# Altium PCB Camera-M-PCB.PcbDoc (part 1 of 2) (continued)
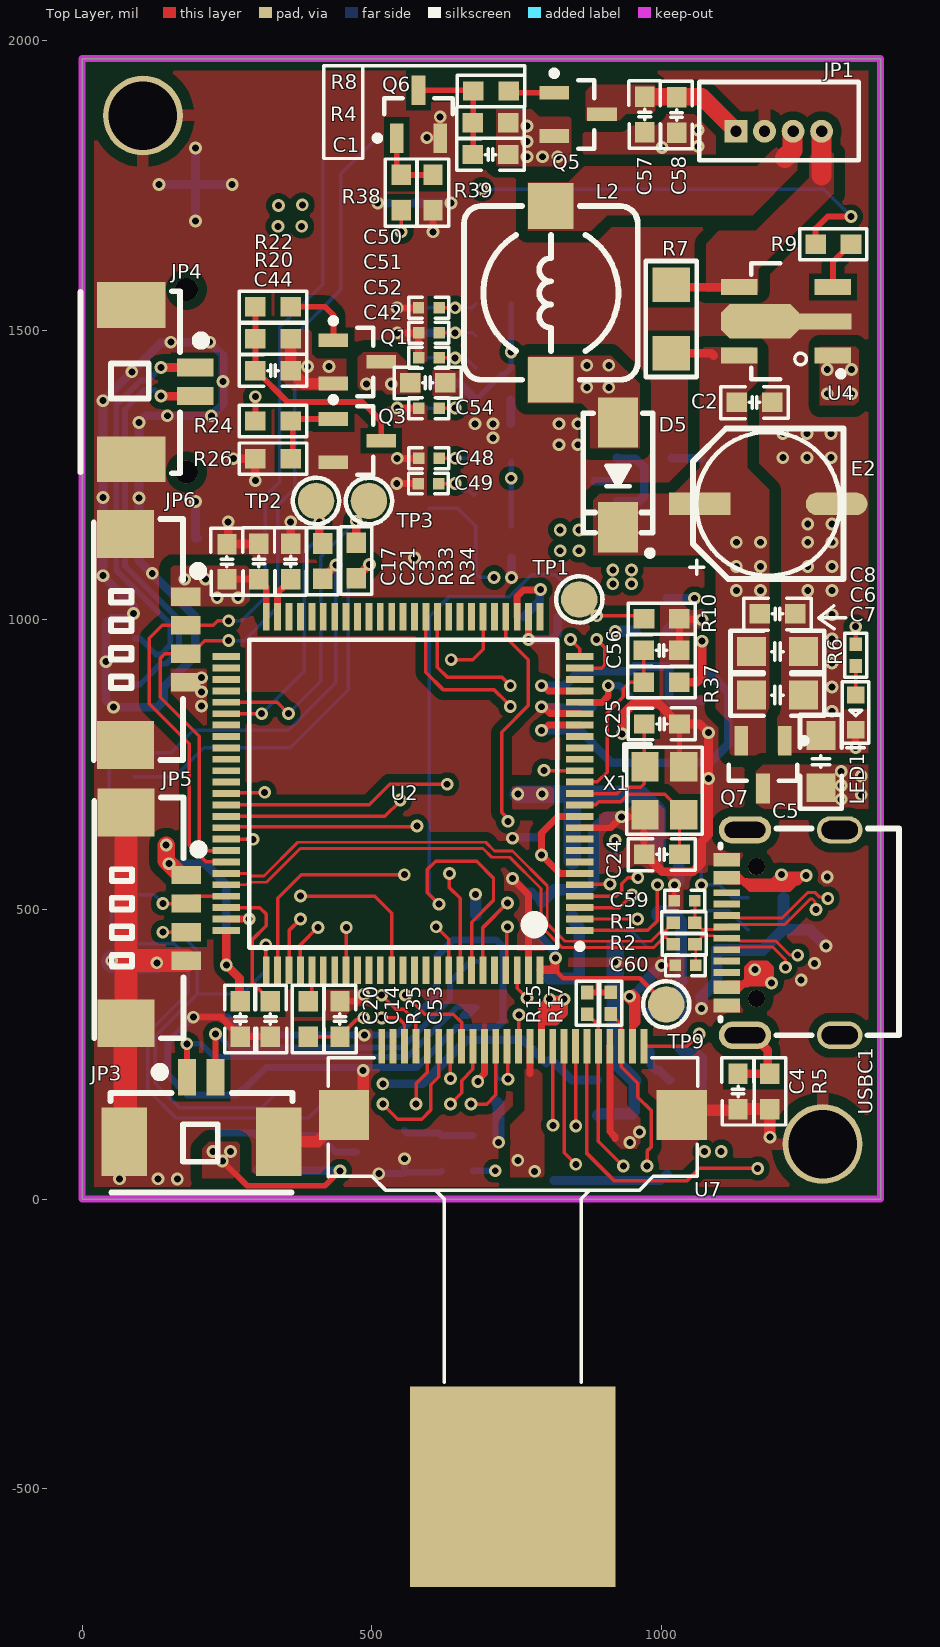
[diagram p0: Top Layer view]
## Components (designator, comment, footprint, x,y, rotation, side; value= is the part's Value field where it differs from the comment) (continued)
R38 "1K" R0603_M 550.52,1737.05 r270 top
R39 "10K" R0603_M 605.52,1737.05 r90 top
TP1 "BOOT0" "TEST 1.6" 858,1035 r270 top
TP2 "RXD" "TEST 1.6" 403.67,1205 r90 top
TP3 "TXD" "TEST 1.6" 495,1205 r90 top
TP5 "TXD" "TEST 1.6" 502,1825 r0 bottom
TP6 "RXD" "TEST 1.6" 415,1825 r0 bottom
TP7 "JTMS" "TEST 1.6" 430,181 r270 bottom
TP8 "JTCK" "TEST 1.6" 345,181 r270 bottom
TP9 "VCPU" "TEST 1.6" 1008,336 r0 top
U1 "XC6228D332VR-G" SOT-23-5 970.24,1241.6 r0 bottom
U2 "STM32F407VET6" LQFP100_V 554,700 r180 top locked
U4 "NS4115" SOT89-5M 1215,1515 r90 top
U5 "XC6219B132MR" SOT-23-5 883,537 r270 bottom
U6 "XC6219B282MR" SOT-23-5 1030,545 r270 bottom
U7 "OV2640" OV2640-24 743.5,-116.25 r180 top locked
U8 "SU-03T" SU-03T 90,330.98 r0 bottom locked
USBC1 "TYPE-C 2.0 -16P" USB-C-SMD_16P 1210,460 r270 top locked
X1 "8M" XTAL-3225-4P 1005,705 r270 top
Y1 "24.000Mhz" XTAL3225 806,167 r180 bottom

## Footprints (in the part's own frame and the unit in brackets; to place one, negate y for a bottom-side part, rotate by r counter-clockwise, add the part's x,y. Pads: shape width x height; smd on the part's side, far side on the other; paste and mask are expansions set on the pad)
C0402_L [mm] "贴片MLCC电容"
  rect 0.5x0.5 smd: 1(-0.45,0) 2(0.45,0)
  silkscreen extent -0.87,-0.46 0.88,0.46, body extent -0.5,-0.25 0.5,0.25, height 0.5
C0603_M [mm] "贴片MLCC电容"
  rect 0.9x0.85 smd: 1(-0.775,0) 2(0.775,0)
  silkscreen extent -1.48,-0.69 1.48,0.71, body extent -0.8,-0.4 0.8,0.4, height 0.8
C0805_M [mil] "贴片MLCC电容"
  rect 50x50 smd: 1(-45,0) 2(45,0)
  silkscreen extent -81,-36 81,36, body extent -39,-26 39,26, height 51
CDRH74 [mm] "7.3*7.3*4.5mm（长宽高）"
  rect 2x2 smd: 1(-3.81,0) 2(3.81,0)
  silkscreen extent -3.81,-3.81 3.81,3.81, body extent -3.65,-3.65 3.65,3.65, height 4.52
"CS 6*6 - B" [mm] "直径6mm，高6mm             联系卖家 免费人工查找封装"
  rect 2.7x1 smd: 1(3,0)
  oval 2.7x1 smd: 2(-3,0)
  silkscreen extent -3.3,-3.3 3.43,3.3, body extent -3.5,-3.15 3.5,3.15, height 6.05
LED0603_G [mil] "绿色0603LED"
  rect 30x30 smd: 1(-30,0) 2(30,0)
  silkscreen extent -53,-23 61,23, body extent -31,-16 31,16, height 18
LQFP100_V [mm] "Thin QFP, 100-Leads, Body 14x14mm, Pitch 0.5mm, ST Recommended联系卖家免费查找封装"
  rect 1.2x0.3 smd: 1(-7.75,6) 2(-7.75,5.5) 3(-7.75,5) 4(-7.75,4.5) 5(-7.75,4) 6(-7.75,3.5) 7(-7.75,3) 8(-7.75,2.5) 9(-7.75,2) 10(-7.75,1.5) 11(-7.75,1) 12(-7.75,0.5) 13(-7.75,0) 14(-7.75,-0.5) 15(-7.75,-1) 16(-7.75,-1.5) 17(-7.75,-2) 18(-7.75,-2.5) 19(-7.75,-3) 20(-7.75,-3.5) 21(-7.75,-4) 22(-7.75,-4.5) 23(-7.75,-5) 24(-7.75,-5.5) 25(-7.75,-6) 51(7.75,-6) 52(7.75,-5.5) 53(7.75,-5) 54(7.75,-4.5) 55(7.75,-4) 56(7.75,-3.5) 57(7.75,-3) 58(7.75,-2.5) 59(7.75,-2) 60(7.75,-1.5) 61(7.75,-1) 62(7.75,-0.5) 63(7.75,0) 64(7.75,0.5) 65(7.75,1) 66(7.75,1.5) 67(7.75,2) 68(7.75,2.5) 69(7.75,3) 70(7.75,3.5) 71(7.75,4) 72(7.75,4.5) 73(7.75,5) 74(7.75,5.5) 75(7.75,6)
  rect 0.3x1.2 smd: 26(-6,-7.75) 27(-5.5,-7.75) 28(-5,-7.75) 29(-4.5,-7.75) 30(-4,-7.75) 31(-3.5,-7.75) 32(-3,-7.75) 33(-2.5,-7.75) 34(-2,-7.75) 35(-1.5,-7.75) 36(-1,-7.75) 37(-0.5,-7.75) 38(0,-7.75) 39(0.5,-7.75) 40(1,-7.75) 41(1.5,-7.75) 42(2,-7.75) 43(2.5,-7.75) 44(3,-7.75) 45(3.5,-7.75) 46(4,-7.75) 47(4.5,-7.75) 48(5,-7.75) 49(5.5,-7.75) 50(6,-7.75) 76(6,7.75) 77(5.5,7.75) 78(5,7.75) 79(4.5,7.75) 80(4,7.75) 81(3.5,7.75) 82(3,7.75) 83(2.5,7.75) 84(2,7.75) 85(1.5,7.75) 86(1,7.75) 87(0.5,7.75) 88(0,7.75) 89(-0.5,7.75) 90(-1,7.75) 91(-1.5,7.75) 92(-2,7.75) 93(-2.5,7.75) 94(-3,7.75) 95(-3.5,7.75) 96(-4,7.75) 97(-4.5,7.75) 98(-5,7.75) 99(-5.5,7.75) 100(-6,7.75)
  silkscreen extent -7.88,-6.75 6.75,6.82, body extent -7,-7 7,7, height 1.6
"Micro SD" [mm] "淘宝ID:黄晶宝石"
  round 1 hole 1 unplated: 0(-4,0) 0(4,0)
  rect 0.7x1.8 smd: 1(3.2,10.627) 2(2.1,10.627) 3(1,10.627) 4(-0.1,10.627) 5(-1.2,10.627) 6(-2.3,10.627) 7(-3.4,10.627) 8(-4.5,10.627) 9(-5.6,10.627)
  rect 2.032x2.2 smd: 10(-6.9,0.4) 10(8.6,0.4)
  rect 1.2x1.4 smd: 10(-6.9,10)
  rect 1.6x1.4 smd: 10(7.8,10)
  silkscreen extent -7.4,-4.28 9.2,11.94, body extent -7.05,-3.87 8.95,11.38, height 2
MX1.25-L-4P [mm] "长：6.75mm，宽：3.2mm，高：4.2mm"
  rect 1x1 hole 0.5: 1(-1.885,0)
  round 1 hole 0.5: 2(-0.635,0) 3(0.615,0) 4(1.865,0)
  silkscreen extent -3.49,-1.27 3.49,2.16, body extent -3.38,-1.15 3.37,2.05, height 4.25
MX1.25-LT-4P [mm] "长：9.75m，宽：3.7mm，高：4.7mm 淘宝ID:黄晶宝石"
  rect 2.1x2.5 smd: 0(-4.632,-0.381) 0(4.604,-0.381)
  rect 0.8x1.3 smd: 1(-1.889,2.261) 2(-0.639,2.261) 3(0.611,2.261) 4(1.861,2.261)
  silkscreen extent -5.29,-1.78 5.27,2.99, body extent -5.08,-1.6 5.07,2.5, height 4.7
MX1.25-WT-2P [mm] "长：7.65mm，宽：4.2mm，高：3.4mm"
  rect 2x3 smd: 0(-3.382,0) 0(3.382,0)
  rect 0.8x1.6 smd: 1(-0.639,2.811) 2(0.611,2.811)
  silkscreen extent -3.98,-2.23 4,3.25, body extent -3.82,-2.1 3.83,3.09, height 3.4
OV2640-24 [mm]
  rect 0.3x1.5 smd: 1(-5.747,-9.658) 2(-5.247,-9.658) 3(-4.747,-9.658) 4(-4.247,-9.658) 5(-3.747,-9.658) 6(-3.247,-9.658) 7(-2.747,-9.658) 8(-2.247,-9.658) 9(-1.747,-9.658) 10(-1.247,-9.658) 11(-0.747,-9.658) 12(-0.247,-9.658) 13(0.253,-9.658) 14(0.753,-9.658) 15(1.253,-9.658) 16(1.753,-9.658) 17(2.253,-9.658) 18(2.753,-9.658) 19(3.253,-9.658) 20(3.753,-9.658) 21(4.253,-9.658) 22(4.753,-9.658) 23(5.253,-9.658) 24(5.753,-9.658)
  rect 2.2x2.2 smd: 25(7.404,-6.636) 26(-7.404,-6.636)
  rect 9x8.8 smd: 27(0.006,9.658)
  silkscreen extent -8.1,-9.15 8.1,5.07
R0402_M [mm] "1/16W贴片电阻"
  rect 0.6x0.55 smd: 1(-0.475,0) 2(0.475,0)
  silkscreen extent -0.97,-0.48 0.97,0.48, body extent -0.5,-0.25 0.5,0.25, height 0.3
R0603_M [mm] "1/10W贴片电阻"
  rect 0.9x0.85 smd: 1(-0.775,0) 2(0.775,0)
  silkscreen extent -1.48,-0.69 1.48,0.69, body extent -0.8,-0.4 0.8,0.4, height 0.4
R1206_M [mm] "1/4W贴片电阻"
  rect 1.5x1.65 smd: 1(-1.5,0) 2(1.5,0)
  silkscreen extent -2.54,-1.12 2.54,1.12, body extent -1.6,-0.8 1.6,0.8, height 0.56
SMA [mm] "4.5x2.6*2.2mm（长宽高，不包括引脚）联系卖家 免费查找封装"
  rect 2.2x1.75 smd: 1(-2.3,0) 2(2.3,0)
  silkscreen extent -2.7,-1.52 3.56,1.52, body extent -2.55,-1.3 2.55,1.3, height 2.15
SOT23-3N [mm] "SOT23, 3-Leads, Body 2.9x1.3mm, Pitch 0.95mm, Lead Span 2.4mm, IPC Medium Density  联系卖家 获取最新版本"
  rect 0.6x1.3 smd: 1(-0.95,-1.05) 2(0.95,-1.05) 3(0,1.05)
  silkscreen extent -1.92,-1.17 1.5,0.7, body extent -1.5,-1.2 1.5,1.2, height 1.05
SOT89-5M [mm] "4.6x4.3x1.6mm(长宽高)"
  rect 0.7x1.6 smd: 1(-1.5,-2.054) 3(1.5,-2.054) 4(1.5,2.054) 5(-1.5,2.054)
  oct 1.524x3.429 smd: 2(0,1.143)
  rect 0.7x2.4 smd: 2(0,-1.676)
  silkscreen extent -2.54,-2.53 2.54,1.52, body extent -2.3,-2.4 2.3,2.4, height 1.6
SOT-23-5 [mm] "SOT23, 5-Leads, Body 2.9x1.6mm, Pitch 0.95mm, IPC Medium Density"
  rect 1.05x0.6 smd: 1(-1.2,0.95) 2(-1.2,0) 3(-1.2,-0.95) 4(1.2,-0.95) 5(1.2,0.95)
  silkscreen extent -1.32,-1.55 0.3,1.92, body extent -1.4,-1.5 1.4,1.5, height 1.15
SU-03T [mm]
  rect 1.5x1 smd: 1(0,0.025) 2(0,-2) 3(0,-4.025) 4(0,-6.05) 5(0,-8.075) 6(0,-10.1) 7(0,-12.125) 8(0,-14.15) 9(0,-16.175) 10(15,-16.2) 11(15,-14.175) 12(15,-12.15) 13(15,-10.125) 14(15,-8.1) 15(15,-6.075) 16(15,-4.05) 17(15,-2.025) 18(15,0)
  silkscreen extent -2.15,-18.7 15,2.53
"TEST 1.6" [mm] "测试点1.6mm"
  round 1.6 smd paste-1.6: 1(0,0)
  silkscreen extent -1.02,-1.01 1.02,1.02
USB-C-SMD_16P [mm] "封装库来自淘宝ID:黄晶宝石"
  oval 1.2x2 hole 0.8 slot 1.6 at 90 deg: 0(-4.5,2.475) 0(4.5,2.475)
  oval 1.2x2.3 hole 0.7 slot 1.8 at 90 deg: 0(-4.5,-1.675) 0(4.5,-1.675)
  rect 0.3x1.15 smd: A1(3.35,-2.473) A4(2.55,-2.471) A5(1.25,-2.475) A6(0.25,-2.475) A7(-0.25,-2.473) A9(-2.55,-2.475) A12(-3.35,-2.475) B1(-3.05,-2.475) B4(-2.25,-2.475) B5(-1.75,-2.475) B6(-0.75,-2.475) B7(0.75,-2.473) B9(2.25,-2.471) B12(3.05,-2.473)
  rect 0.3x1.148 smd: A8(1.75,-2.475) B8(-1.25,-2.475)
  round 0.75 hole 0.75 unplated: ""(-2.89,-1.175) ""(2.89,-1.175)
  silkscreen extent -4.56,-2.75 4.5,5.08, body extent -4.45,-2.87 4.49,5.03, height 3.25
XTAL3225 [mm]
  rect 1.3x1.05 smd: 1(0,0) 2(2.3,0) 3(2.3,1.85) 4(0,1.85)
  silkscreen extent -0.56,-1.3 2.74,2.17
XTAL-3225-4P [mm] "3.2*2.5*0.7mm(长宽高)                             淘宝ID:黄晶宝石"
  rect 1.3x1.2 smd: 1(-1.05,-0.85) 2(1.05,-0.85) 3(1.05,0.85) 4(-1.05,0.85)
  silkscreen extent -2.03,-1.75 1.91,1.65, body extent -1.6,-1.25 1.6,1.25, height 0.7

## Part data
C1 C2 C3 C4 C5 C6 C7 C8 C9 C10 C11 C12 C13 C14 C15 C16 C17 C18 C19 C20 C21 C22 C23 C24 C25 C26 C27 C28 C29 C30 C32 C33 C34 C35 C36 C38 C39 C40 C41 C42 C43 C44 C45 C46 C47 C48 C49 C50 C51 C52 C53 C54 C55 C56 C57 C58 C59 C60: library part C, "贴片电容/MLCC电容", BOM名称=无极性贴片电容, 当前库版本V2023.8.14 @淘宝卖家:黄晶宝石=最新版本发布https://item.taobao.com/item.htm?id=566775463719, 联系下单店铺卖家 免费帮你查找封装="联系下单店铺卖家 免费技术支持"
D5: "肖特基二极管", BOM名称=肖特基二极管, 属性=40V/3A, 当前库版本V2023.8.14 @淘宝卖家:黄晶宝石=最新版本发布https://item.taobao.com/item.htm?id=566775463719
E2: library part CS_SMD, "贴片固态电容", BOM名称=贴片固态电容, 联系下单店铺卖家 免费帮你查找封装="联系下单店铺卖家 免费技术支持"
J1: "TF卡座", BOM名称=TF卡座, 当前库版本V2023.8.14 @淘宝卖家:黄晶宝石=最新版本发布https://item.taobao.com/item.htm?id=566775463719
JP1 JP5 JP6: library part "Header 4", "4P连接器", BOM名称=4P连接器, 联系卖家 免费技术支持=封装库来自淘宝卖家ID：黄晶宝石
JP3 JP4: library part "Header 2", "2P连接器", BOM名称=2P连接器, 联系卖家 免费技术支持=封装库来自淘宝卖家ID：黄晶宝石
L2: library part L-CDRH, "CDRH功率屏蔽电感", BOM名称=功率屏蔽电感, 当前库版本V2023.8.14 @淘宝卖家:黄晶宝石=最新版本发布https://item.taobao.com/item.htm?id=566775463719
LED1: library part LED, "贴片LED", BOM名称=贴片LED, 封装库来自淘宝卖家：黄晶宝石=其他店铺购入均为盗版封装库，无更新权益，请立即申请退款，本店现金奖励200~1000元
Q1 Q2 Q5 Q7: "P沟道 20V/2.8A", BOM名称=P沟道场效应管, 联系下单店铺卖家 免费帮你查找封装="联系下单店铺卖家 免费技术支持"
Q3 Q4 Q6: "高频放大-NPN型", BOM名称=高频放大-NPN型, 参数="40V 0.2A 0.3W 300MHZ", 联系下单店铺卖家 免费帮你查找封装="联系下单店铺卖家 免费技术支持"
R1 R2 R3 R4 R5 R6 R7 R8 R9 R10 R11 R12 R13 R14 R15 R16 R17 R19 R20 R21 R22 R23 R24 R25 R26 R27 R28 R29 R30 R31 R32 R33 R34 R35 R36 R37 R38 R39: library part R, "贴片电阻", BOM名称=贴片电阻, 联系下单店铺卖家 免费帮你查找封装="联系下单店铺卖家 免费技术支持"
TP1 TP2 TP3 TP5 TP6 TP7 TP8 TP9: library part TEST, "测试点", BOM名称=测试点, 联系下单店铺卖家 免费技术支持="联系下单店铺卖家 免费帮你查找封装"
U1 U5 U6: library part SGM2019-1.8YN5G, "LDO 1.8V/0.3A", BOM名称=SGM2019-1.8YN5G, 当前库版本V2023.8.14 @淘宝卖家:黄晶宝石=最新版本发布https://item.taobao.com/item.htm?id=566775463719
U2: "ARM Cortex-M4 32b MCU+FPU, 210DMIP, 512 kB Flash, 192+4 kB RAM, Camera, 82 I/Os, 100-pin LQFP, -40 to +85癈, Tray", Operating Frequency (Processor Speed)=168MHz, 16-bit Timers (IC/OC/PWM)=12x16-bit(24/24/30), 32-bit Timer (IC/OC/PWM)="2x32-bit (8/8/8)", A/D Converter=16x12-bit, ComponentLink1Description="Manufacturer URL", ComponentLink1URL=http://www.st.com/, ComponentLink2Description="STM32F405/7 Datasheet", ComponentLink2URL=http://www.st.com/internet/com/TECHNICAL_RESOURCES/TECHNICAL_LITERATURE/DATASHEET/DM00037051.pdf, ComponentLink3Description="STM32F4 Web Page", ComponentLink3URL=http://www.st.com/internet/mcu/subclass/1521.jsp, D/A Converter=2x12-bit, DatasheetVersion="rev2, Jan-2012", Internal RAM=192kB, Other Timer Functions="2xWDG, RTC, 24-bit down counter", PackageDescription="100-Pin Low Profile Quad Flat Package, 14x14 mm Body, 0.5 mm Pitch", PackageReference=LQFP100, PackageVersion=2012, Serial Interface="3xSPI/2xI2S/2xI2C/3xUSART(IrDa, ISO7816)/3xUART/2xUSB OTG FS/HS, 2xCAN/Ethernet MAC10/100, SDIO"
U4: "NS4115 LED恒流驱动IC，最大输出电流1A，输入支持PWM调光"
U8: "离线语音识别模块V1.8"
USBC1: library part USB2.0_Type-C_16Pin, "USB2.0_Type-C_16Pin母座", 联系下单店铺卖家 免费技术支持="联系下单店铺卖家 免费帮你查找封装"
X1: library part XTAL-4P, "4脚无源晶振(谐振器）", BOM名称=4脚无源晶振(谐振器）, 联系下单店铺卖家 免费帮你查找封装="联系下单店铺卖家 免费技术支持"
Y1: library part XTAL_S, "有源晶振"

## Free pads (board coordinates)
  round 137.8 hole 118.11: 0(105,1870) 0(1277.95,95)

## Via types
v1: diameter 22, hole 12, Top Layer to Bottom Layer, tented both sides, 261 vias

## Nets (pads, with @x,y where several pads share a name; then routed paths per layer and width w, separated by ;. In a path a pad name is that pad's centre, name@x,y a point inside that pad or via, vN(x,y) a via of type N, cw(c..) or ccw(c..) an arc to the next point about the centre after c; other vN are vias at no path point)
AVDD: C39.2 C40.2 R19.2 U7.4 | length 303.7
  Top Layer w12: U7.4@910.7,264 910.7,116.45 919.45,107.71 919.45,105
  Bottom Layer w15: R19.2@1030,259.49 1035.88,253.61 1060.39,253.61 1070.98,243.02 C39.2@1070.98,205 ; C40.2@1069.49,150 1069.75,150.25 1069.75,204.75 C39.2@1070,205
  other v1: 1074,82 1103,82 945.23,97.67 961.93,115.83
BOOT0: R10.2 TP1.1 U2.94 | length 1352.3
  Top Layer w6: v1(616,509) 596,529 596,569 610,583 681,583 710,554 710,516 672.11,478.11 U2.94@672.11,394.88 ; TP1.1@858,1035 858.86,1035 887.14,1006.72 v1(888,1006.72) 964.51,1006.72 R10.2@969.72,1001.5
  Bottom Layer w6: v1(616,509) 599,526 599,1005 634,1040 738,1040 776,1078 816.72,1078 v1(888,1006.72)
CAMERA_POW: R14.2 U2.15 U5.3 U6.3 | length 735.4
  Top Layer w6: v1(797,740) 797.31,739.69 858.8,739.69 U2.15@859.12,739.37
  ART03 w6: v1(797,740) 882.99,740 892.77,730.22 ; v1(920,619) 892.77,646.23 892.77,730.22 ; v1(1068.79,542.5) 1068.79,579.45 918.02,730.22 892.77,730.22
  Bottom Layer w6: v1(920,619) 920,584.65 U5.3@920.4,584.24 ; U6.3@1067.4,592.24 1068.79,590.86 v1(1068.79,542.5) 1099.43,542.5 1121.93,520 R14.2@1149.49,520
DM: R1.1 U2.70 | length 920.6
  Top Layer w5: U2.70@248.88,562.2 283.91,562.2 288.25,557.86 313.86,557.86 372,616 696.56,616 711.56,601 742.56,601 802.83,540.73 802.83,475.37 833.2,445 981.65,445 999.36,462.71 1006.43,462.71 1010.72,467 1010.72,468.92 1019.05,477.25 R1.1@1020.03,477.25
DOVDD: C35.2 C36.2 R16.2 U7.11 | length 322.3
  Top Layer w12: 772.91,216.91 U7.11@772.91,264
  Bottom Layer w15: 814.4,32.08 998.08,32.08 1010,44 ; R16.2@975,259.49 981.2,253.29 981.2,231.73 989.99,222.95 995.58,222.95 1013.52,205 C35.2@1014.51,205
  other v1: 781,48 751.96,67.04
DP: R2.1 U2.71 | length 918.9
  Top Layer w5: U2.71@248.88,542.52 283.91,542.52 288.25,546.86 318.42,546.86 376.56,605 692,605 707,590 738,590 791.83,536.17 791.83,470.81 828.64,434 986.21,434 1003.92,451.71 1008.06,451.71 1010.99,448.78 1010.99,448.33 1019.32,440 R2.1@1020.3,440
DVDD: C29.2 C30.2 R13.2 U7.10 | length 327.7
  Top Layer w12: U7.10@792.59,264 792.59,305.59 ; 792.59,305.59 799.5,312.5 ; 792.59,305.59 818.03,305.59 832.44,320 832.44,332.28 ; 792.59,305.59 792.59,332.59 v1@803.09,343.09 ; 799.5,312.5 803.09,316.09 ; 799.5,312.5 809.5,312.5 825,328 828.16,328 832.44,332.28 ; 803.09,316.09 817.54,330.54 ; 803.09,316.09 v1@803.09,343.09 ; v1@803.09,343.09 v1@805,345 ; v1@805,345 v1(832,345) ; v1@805,345 805,343.09 817.54,330.54 ; 817.54,330.54 v1(832,345) ; v1(832,345) 832.44,344.56 832.44,332.28
  other v1: 807,345
EXT_GND: C4.2 R5.2 USBC1.0 | length 146.7
  Top Layer w15: C4.2@1132,216.51 R5.2@1187,216.51 1183.1,220.41 1183.1,256.73 1156.99,282.83 USBC1.0@1144.06,282.83
GND: C2.1 C3.2 C4.1 C5.1 C6.1 C7.1 C8.1 C9.1 C10.1 C11.1 C12.1 C13.1 C14.2 C15.2 C16.2 C17.2 C18.2 C19.2 C20.2 C21.2 C22.2 C23.2 C24.2 C25.2 C26.1 C27.1 C28.1 C29.1 C30.1 C32.1 C33.1 C34.1 C35.1 C36.1 C38.1 C39.1 C40.1 C41.1 C42.1 C43.1 C46.1 C47.1 C48.1 C49.1 C50.1 C51.1 C52.1 C53.1 C54.1 C55.1 C56.2 C57.1 C58.1 C59.2 C60.1 E2.2 J1.6 J1.10 JP1.2 JP3.0 JP4.0 JP5.0 JP5.4 JP6.0 JP6.4 LED1.2 pad.0 Q3.2 Q4.2 Q6.2 Q7.1 R5.1 R10.1 R14.1 R26.1 R27.1 R39.1 U1.2 U2.10 U2.20 U2.27 U2.74 U2.99 U4.2 U5.2 U6.2 U7.2 U7.15 U7.25 U7.26 U8.2 U8.16 USBC1.A1 USBC1.A12 USBC1.B1 USBC1.B12 X1.2 X1.4 Y1.2 | length 11510.6
  Top Layer w8: v1(999.83,403.06) 1000.19,403.42 1023.19,403.42 C60.1@1023.55,403.78 ; C59.2@1022.18,514.88 v1(1022.18,542.5) ; C25.2@1031.02,820 1031.02,753.78 X1.4@1038.46,746.34
  Top Layer w12: v1(192,314) 239.49,314 261.28,292.21 262.27,292.21 273,281.48 C20.2@273,280.49 C14.2@325,280.49 ; U2.74@248.88,483.46 U2.74@248.88,483.46 v1@290.5,483.5 ; C53.1@445,341.52 474.35,341.52 485.84,353 v1(486,353) ; v1(543,1235) C49.1@580,1235 ; v1(543.6,1538.21) C50.1@580.6,1538.21 ; v1(543.67,1278.62) C48.1@580.67,1278.62 ; v1(543.67,1365.24) C54.1@580.67,1365.24 ; v1(543.67,1495.16) C51.1@580.67,1495.16 C52.1@580.67,1451.85 ; v1(595,1832) 617.14,1832 Q6.2@617.92,1831.22 v1(617.92,1867.92) ; v1(605.52,1669.49) R39.1@605.52,1706.54 ; v1(683,203) 683,205.31 694.17,216.47 U7.15@694.17,264 ; v1(742.75,553.25) 770.54,525.46 U2.99@770.54,394.88 ; v1(770.54,965.75) U2.27@770.54,1005.12 ; v1(792.98,849.81) 795.69,849.81 807.71,837.8 U2.20@859.12,837.8 ; U2.10@859.12,640.94 912.24,640.94 v1(931.07,659.78) 967.65,659.78 X1.2@970,662.13 ; v1@937,350 950.07,336.93 950.07,302.85 ; U7.2@950.07,264 950.07,297.06 957.95,304.93 957.95,349.76 v1@950.92,356.79 ; 950.07,298.39 950.07,298.93 ; C24.2@970,595 X1.2@970,662.13 ; X1.2@971.54,663.66 X1.2@970,662.13 ; C56.2@1030.51,947 1030.63,947.12 1030.63,1001.38 R10.1@1030.75,1001.5 1032.25,1000 v1(1070,1000) ; v1(1335,779) LED1.2@1335,810
  Top Layer w15: C17.2@250,1130.51 250.26,1130.77 304.74,1130.77 C21.2@305,1131.02 ; C17.2@252,1131.02 v1(252,1169) ; v1(261,1278) R26.1@298.98,1278 v1(298.98,1240.02) ; C3.2@360,1131.02 v1(360,1169) ; v1(932,803) 932,836 951,855 995.04,855 1030.04,820 C25.2@1031.02,820 1066,820 v1(1081,805) 1081,629 1069,617 1069,579.44 1054.33,564.77 1001.22,564.77 970.98,595 C24.2@970,595
  Top Layer w20: JP3.0@339.09,99.35 406.35,99.35 U7.25@452,145 ; U7.25@457.15,150.15 485,178 v1(485,222) ; U7.26@1035,145 1043.48,153.48 1130.98,153.48 C4.1@1132,154.5 ; C4.1@1132,155.48 R5.1@1187,155.48 v1(1187,107)
  Top Layer w40: JP3.0@72.79,99.35 74.39,100.95 74.39,301.97 JP5.0@76,303.57 76,401.57 ; JP5.0@76,667.21 76,401.57 ; JP5.4@180,411.57 86,411.57 76,401.57
  ART03 w12: v1(486,353) 486,391 523,428 523,973 618.06,1068.06 618.06,1192.94 603,1208 603,1281 660,1338 v1(678,1338) 678,1380.51 670.05,1388.46 587.83,1388.46 566.12,1366.75 545.18,1366.75 v1(543.67,1365.24) v1(543.67,1278.62) 543.67,1210.33 573.7,1180.3 v1(573.7,1106.72) 572.72,1105.75 572.72,1077.72 481,986 481,836 480,835 480.5,834.5 480.5,769.5 481,769 481,449.62 445,413.62 445,309.94 470.03,284.91 485.09,284.91 v1(487,283)
  Bottom Layer w12: v1(512,44) v1(512,44) 556.3,43.96 Q4.2@556.34,43.93 ; v1(556.34,69.66) Q4.2@556.34,43.93 ; R27.1@620,48.89 617.52,46.41 558.82,46.41 Q4.2@556.34,43.93 ; C32.1@973,374.5 C32.1@973,375.48 ; 147,215 182,180 267.29,180 276.29,189 279,189 317.35,227.35 577.35,227.35 646,296 715.55,296 726,306.45 726,436 715,447 640,447 612,419 612,352 543,283 v1(487,283) 283,283 252,314 v1(192,314) 148.51,270.51 148.51,256.51 147,255 147,215
  Bottom Layer w15: v1(132.61,1751.06) J1.10@195.75,1751.06 ; v1(195.75,1203.96) J1.10@195.75,1140.83 J1.10@199.05,1140.83 ; v1(195.75,1687.93) J1.10@195.75,1751.06 ; v1(195.75,1814.2) J1.10@195.75,1751.06 ; v1(258.88,1751.06) J1.10@195.75,1751.06 ; v1(510,1719) 573.13,1719 J1.10@573.7,1719.57 ; J1.10@573.42,1719.28 v1(636.55,1719.28) ; 740,1338 C43.1@740,1379.49 ; v1(741.02,1073.02) C55.1@741.02,1107.13 ; v1(742.75,553.25) 766,530 776.01,530 C23.2@793,513.01 ; v1(742.75,623) 744.09,624.34 787.83,624.34 C18.2@793,629.51 ; v1(770.54,965.75) 812.27,965.75 821.06,974.53 C22.2@821.06,1005.12 ; v1@792.98,846.81 793.89,847.72 879.22,847.72 C19.2@880.12,848.62 ; 885,1239 920.4,1239 U1.2@923,1241.6 ; v1@937,350 938.34,351.34 949.84,351.34 C32.1@973,374.5 ; v1(36,1076) v1(36,1378) 135.66,1477.66 151.66,1477.66 v1(153,1479) v1(220,1479) 243,1456 243,1372 v1(223,1352) v1(147,1352) 109.79,1352 v1(98,1340.21) 98,1102 195,1005 195,938 141,884 141,860 130,849 v1(54,849) 47.01,855.99 41,862 41,993 50,1002 80,1002 v1(88.79,1010.79) 88.79,1023.21 v1(36,1076)
  Bottom Layer w20: v1(679,526) 679,491.98 U8.16@680.55,490.43 ; Y1.2@715.45,167 718.62,163.83 718.62,98.38 v1(719,98) ; C23.2@793,512.02 793,513.01 799.73,519.74 800.72,519.74 814.98,534 871.28,534 883,545.72 U5.2@883,584.24 883,637.47 902.53,657 C26.1@903.52,657 906.29,659.78 v1(931.07,659.78) ; C41.1@890,144.48 893.12,147.6 949.72,147.6 C36.1@952.83,150.72 953.16,151.04 C35.1@953.16,204.67 ; v1(920,980) 920.25,980.25 953.75,980.25 C16.2@954,980.51 ; C32.1@973,375.48 973,376.47 999.59,403.06 v1(999.83,403.06) ; C15.2@1010,980 1010,980.98 1016.73,987.72 1017.72,987.72 1029.62,999.62 1069.62,999.62 v1(1070,1000) ; v1@1022.18,540.82 1022.18,541.36 1030,549.19 U6.2@1030,592.24 ; v1(1069,329) 1069,349.47 1094.53,375 C34.1@1095.51,375 1095.26,375.26 1095.26,429.74 C33.1@1095,430 1174.53,430 1209.53,465 C38.1@1210.51,465 ; R14.1@1210.51,520 C38.1@1210.51,465 ; v1(1284,437) 1256,465 C38.1@1210.51,465
  Bottom Layer w25: C30.1@921.02,265 921.84,264.18 921.84,235.66 948.27,209.23 948.6,209.23 C35.1@953.16,204.67
  Bottom Layer w30: C27.1@919.02,436 920.02,435 v1(920.02,409) C30.1@920.02,266
  Bottom Layer w40: v1@52.54,410.04 89.69,410.04 U8.2@90,409.72 ; U8.2@90.31,409.41 v1@127.46,409.41
  other v1: 64.67,35 131,35 164.29,34.65 945,350 1241,378 1264,407 129,407.87 51,411.57 288.25,483.5 1286,556 1081,726 1294,842 206,851 206,875.5 1294,883.67 206,900 1294,925.33 41,927.5 1294,967 1294,1008.67 1252.33,1050.33 1294,1050.33 121,1080 1252.33,1092 1294,1092 1252.33,1133.67 1294,1133.67 1252.33,1165.33 1294,1165.33 98,1210 36,1211 1209.33,1279.67 1251,1279.67 1292.67,1279.67 823,1302 855.6,1302 709,1314 1209.33,1321.33 1251,1321.33 1292.67,1321.33 709,1338 823,1338 855.6,1338 243,1411 85.83,1427.83 1001,1815 1063,1817 1063,1845
JTCK: JP5.3 TP8.1 U2.76 | length 842.7
  Top Layer w6: v1(139.21,460.79) JP5.3@180,460.79 ; v1(317,439) 317,395.66 U2.76@317.78,394.88
  Bottom Layer w6: v1(139.21,460.79) 167.17,460.79 199,428.96 199,354 ; v1(317,439) 317.39,438.61 317.39,395.27 276.12,354 199,354 ; TP8.1@345,181 332.99,181 309.99,158 168,158 126,200 126,281 199,354
JTMS: JP5.2 TP7.1 U2.72 | length 1032.4
  Top Layer w6: v1(139.21,510) JP5.2@180,510 192.75,522.75 215.38,522.75 215.47,522.83 U2.72@248.88,522.83
  Bottom Layer w6: v1(139.21,510) 124.21,525 60,525 50,515 50,458 67,441 159,441 183,417 183,356 113,286 113,189 162,140 390,140 TP7.1@430,180
LED+: JP1.4 R7.2 U4.4 | length 194.6
  Top Layer w15: R7.2@1017,1578.06 1021,1574.06 U4.4@1134.13,1574.06
  Top Layer w35: 1276.21,1767.21 JP1.4@1276.21,1843
LED-: JP1.3 L2.2 | length 51.8
  Top Layer w35: 1213,1797 1226.16,1810.16 1226.16,1842.16 JP1.3@1227,1843
LED_PWM: R38.2 U2.25 | length 983.1
  Top Layer w6: v1(550.52,1669.49) R38.2@550.52,1706.54 ; v1(843,966) 859.12,949.88 U2.25@859.12,936.22 U2.25@876.83,936.22
  ART03 w6: v1(550.52,1669.49) 590,1630 659,1630 764.46,1524.54 764.46,1044.54 778,1031 823.72,1031 843,1011.72 v1(843,966)
MAINLED_PWM: R9.1 U2.24 | length 1711.5
  Top Layer w6: U2.24@859.12,916.54 896.54,916.54 902,922 902,952 v1(888,966)
  Top Layer w10: R9.1@1265.98,1648 1265.98,1674.98 1287,1696 v1(1327,1696)
  ART03 w6: v1@690,1747.33 v1(690,1743) 690,1638 778.56,1549.44 778.56,1098.44 865.5,1011.5 865.5,988.5 v1(888,966)
  Bottom Layer w6: v1(690,1743) 1280,1743 v1(1327,1696)
MCU_RXD: R33.2 TP2.1 U2.56 | length 511.8
  Top Layer w6: U2.56@248.88,837.8 v1(309.8,837.8)
  Top Layer w15: TP2.1@403.67,1205 409.34,1199.34 409.34,1137.17 R33.2@415,1131.51
  Bottom Layer w6: v1(309.8,837.8) 383,911 383,1116 410,1143 v1(410,1169)
MCU_TXD: R34.2 TP3.1 U2.55 | length 533.1
  Top Layer w6: U2.55@248.88,857.48 336.52,857.48 v1(356,838)
  Top Layer w15: R34.2@473,1132.51 v1(473,1170)
  Bottom Layer w6: v1(356,838) 411.5,893.5 411.5,1108.5 v1(473,1170)
MIC+: JP4.1 U8.9 | length 698
  Top Layer w15: v1(136.15,1435.15) JP4.1@195.65,1435.15
  Bottom Layer w10: U8.9@90,967.8 99.84,967.8 127.64,940 136.07,940 152,955.93 ; v1(136.15,1435.15) 114,1413 101,1413 59,1371 59,1085.47 152,992.47 152,955.93 ; 152,957 152,955.93
MIC-: JP4.2 U8.8 | length 696.8
  Top Layer w15: v1(136.15,1385.94) JP4.2@195.65,1385.94
  Bottom Layer w10: U8.8@90,888.07 99.84,888.07 135.77,924 145,924 167,946 167,1000 74,1093 74,1363 108,1397 125.09,1397 v1(136.15,1385.94)
NetC1_1: C1.1 Q6.3 R4.2 R8.2 | length 204.9
  Top Layer w10: Q6.3@580.52,1913.9 673.67,1913.9 R8.2@675.01,1912.56 675.01,1803.39 C1.1@674.49,1802.87
NetC3_1: C3.1 U2.49 | length 74.4
  Top Layer w12: U2.49@337.46,1005.12 337.46,1046.74 349.01,1058.28 349.27,1058.28 360,1069.02 C3.1@360,1070
NetC13_2: C13.2 U1.4 | length 51.7
  Bottom Layer w15: U1.4@1017.49,1279 1017.73,1278.75 1068.75,1278.75 C13.2@1069,1278.51
NetC14_1: C14.1 U2.73 | length 247
  Top Layer w6: U2.73@248.88,503.15 306.85,503.15 318,492 318,472 294,448 294,373.5 325,342.5 C14.1@325,341.52
NetC32_2: C32.2 U5.4 | length 80.4
  Bottom Layer w6: U5.4@920.4,489.76 920.4,480.9 938.3,463 947.49,463 973,437.49 C32.2@973,436.51
NetC38_2: C38.2 U6.4 | length 95.7
  Bottom Layer w6: U6.4@1067.4,497.76 1115.75,497.76 1148.51,465 C38.2@1149.49,465
NetC44_1: C44.1 Q3.3 R20.2 R22.2 | length 397.2
  Top Layer w10: R22.2@298.98,1540 R20.2@298.98,1485 C44.1@298.98,1430 299.96,1430 353.96,1376 483,1376 516.34,1342.66 Q3.3@516.34,1309
NetC45_1: C45.1 Q4.3 R21.2 R23.2 | length 213.9
  Bottom Layer w12: R23.2@300,48.9 300,49.89 344.27,94.15 344.27,99.19 R21.2@355,109.92 C45.1@410,109.92 ; C45.1@410,108.94 437.61,81.33 Q4.3@473.66,81.33
NetD5_1: D5.1 L2.1 U4.1
  other v1: 1286,1390 1327.67,1390 871,1401 909,1401 1286,1431.67 1327.67,1431.67 871,1439 909,1439
NetLED1_1: LED1.1 R6.1 | length 50
  Top Layer w6: LED1.1@1335,870 R6.1@1335,920
NetQ1_1: Q1.1 R22.1 | length 122.7
  Top Layer w10: R22.1@360.01,1540 419,1540 433.66,1525.34 Q1.1@433.66,1482.4
NetQ2_1: Q2.1 R23.1 | length 70.2
  Bottom Layer w12: Q2.1@233.5,118.73 237.9,114.33 295.6,114.33 R23.1@300,109.92
NetQ3_1: Q3.1 R24.1 R26.2 | length 140.1
  Top Layer w10: R26.2@360,1278 363.4,1281.4 363.4,1346.4 Q3.1@433.66,1346.4
NetQ4_1: Q4.1 R25.1 R27.2 | length 122.3
  Bottom Layer w12: Q4.1@556.34,118.73 560.75,114.33 615.59,114.33 R27.2@620,109.92 R25.1@675,109.92
NetQ5_1: Q5.1 R8.1 | length 79.9
  Top Layer w10: R8.1@736.03,1912.56 738.94,1909.65 Q5.1@814.69,1909.65
NetQ6_1: Q6.1 R38.1 R39.2 | length 121.7
  Top Layer w10: Q6.1@543.11,1831.22 543.11,1774.97 R38.1@550.52,1767.57 R39.2@605.52,1767.56
NetR9_2: R9.2 U4.3 | length 86.4
  Top Layer w10: U4.3@1295.87,1574.06 1295.87,1617.86 R9.2@1326.02,1648
NetR12_2: R12.2 U2.21 | length 128.8
  Top Layer w12: U2.21@859.12,857.48 897.48,857.48 908,868 v1(908,886.18)
  Bottom Layer w12: v1(908,886.18) 927.32,886.18 953.51,860 R12.2@954.49,860
NetR33_1: R33.1 U8.5 | length 826.2
  Top Layer w15: R33.1@415,1070.49 415,1071.47 v1(438,1094.47)
  Bottom Layer w6: U8.5@99.84,648.9 U8.5@90,648.9 80.16,648.9 47,682.06 47,759 58,770 153,770 192,809 356,809 438,891 v1(438,1094.47)
NetR34_1: R34.1 U8.6 | length 695.6
  Top Layer w15: R34.1@473,1072.47 v1(496,1095.47)
  Bottom Layer w6: U8.6@90,728.62 159.62,728.62 210,779 359,779 459,879 459,1058.47 v1(496,1095.47)
NRST: C56.1 R37.1 U2.14 | length 266.7
  Top Layer w6: U2.14@880.12,719.68 880.66,720.23 889.23,720.23 906,737 906,839.07 934,867.07 934,881 945,892 R37.1@969.48,892 969.48,930
OSC_IN: C24.1 U2.12 X1.3 | length 253.5
  Top Layer w6: U2.12@880.12,680.32 880.8,681 886.68,681 891.82,686.14 929.7,686.14 942.38,698.83 1005.27,698.83 1038.46,665.63 X1.3@1038.46,663.66 1031.02,656.22 C24.1@1031.02,595
OSC_OUT: C25.1 U2.13 X1.1 | length 222.2
  Top Layer w6: U2.13@859.12,700 923.85,699.98 934.88,711.01 964.01,711.01 970,717 970,742.83 971.54,744.37 970,745.91 C25.1@970,820
OV_D0: U2.63 U7.19 | length 961.8
  Top Layer w6: U2.63@248.88,700 249.88,701 314,701 v1(315,702) ; v1(519,164) 545,138 586.14,138 602,153.86 602,197.65 615.24,210.89 ; 615.43,210.89 U7.19@615.43,264
  ART03 w6: v1(315,702) 315,560 266,511 266,450 385,331 385,271 492,164 v1(519,164)
OV_D1: U2.64 U7.21 | length 1026.5
  Top Layer w6: U2.64@248.88,680.32 495.32,680.32 531,716 v1(630,716) ; v1(517,352) 541,328 555,328 576.06,306.94 U7.21@576.06,264
  ART03 w6: v1(517,352) 517,394.78 546.63,424.41 546.63,516.63 577,547 577,573 609,605 617,613 617,631.09 620.6,634.69 643.4,634.69 647,638.29 647,649.09 643.4,652.69 622.6,652.69 619,656.29 619,667.09 622.6,670.69 643.4,670.69 647,674.29 647,685.09 643.4,688.69 620.6,688.69 617,692.29 617,702.49 630,715.49 v1(630,716)
OV_D2: U2.97 U7.22 | length 963.1
  Top Layer w6: v1(517,312.63) 545.37,312.63 556.37,301.63 U7.22@556.37,264 ; U2.97@731.17,394.88 732.58,396.3 732.58,468.58 v1(734,470)
  ART03 w6: v1(517,312.63) 517,261 524,254 578,254 585,261 585,320.2 585,341.2 588.6,344.8 636.4,344.8 640,348.4 640,359.2 636.4,362.8 588.6,362.8 585,366.4 585,382.2 585,406 587.57,408.57 602.42,423.42 607.51,423.42 641.98,388.96 647.07,388.96 654.71,396.59 654.71,401.68 620.43,435.96 620.43,441.05 628.07,448.69 633.16,448.69 667.43,414.41 672.53,414.41 680.16,422.05 680.16,427.14 645.89,461.41 645.89,466.51 653.53,474.14 658.62,474.14 692.89,439.87 697.98,439.87 705.62,447.51 705.62,452.6 696.91,461.31 696.91,466.4 700.5,470 704.82,470 v1(734,470)
OV_D3: U2.98 U7.20 | length 954.6
  Top Layer w6: v1(576.26,164.02) 576.26,199 595.74,218.48 U7.20@595.74,264 ; U2.98@750.85,394.88 750.85,364.15 v1(768,347)
  ART03 w6: v1(576.26,164.02) 576.26,185.49 579.78,189 610,189 616,183 616,148 626.52,137.48 754.72,137.48 762.24,145 762.24,161.24 757.49,166 731.51,166 728,169.51 728,180 732,184 759.95,184 767,191.05 767,226.09 760.77,232.33 727.09,232.33 721.53,237.89 721.53,240.43 721.53,247.63 726.93,253.03 772.87,253.03 778.27,258.43 778.27,265.63 772.87,271.03 706.86,271.03 701.46,276.43 701.46,298 707.46,304 730.49,304 734,307.51 734,317.49 730.49,321 707.46,321 701.46,327 701.46,336.46 712,347 v1(768,347)